# Altium PCB Booster_Main_Board.PcbDoc (part 8 of 11)
Units mil, origin at the board's own origin, x right, y up, seen from the top; angles counter-clockwise.
Board outline 15748.38 x 4626.33 mil, 4 copper layers (Component Side, Signal Layer 1, Power Plane, Solder Side), stack 63.149 mil thick; 999 components, 572 nets, 2902 pads, 1949 vias.
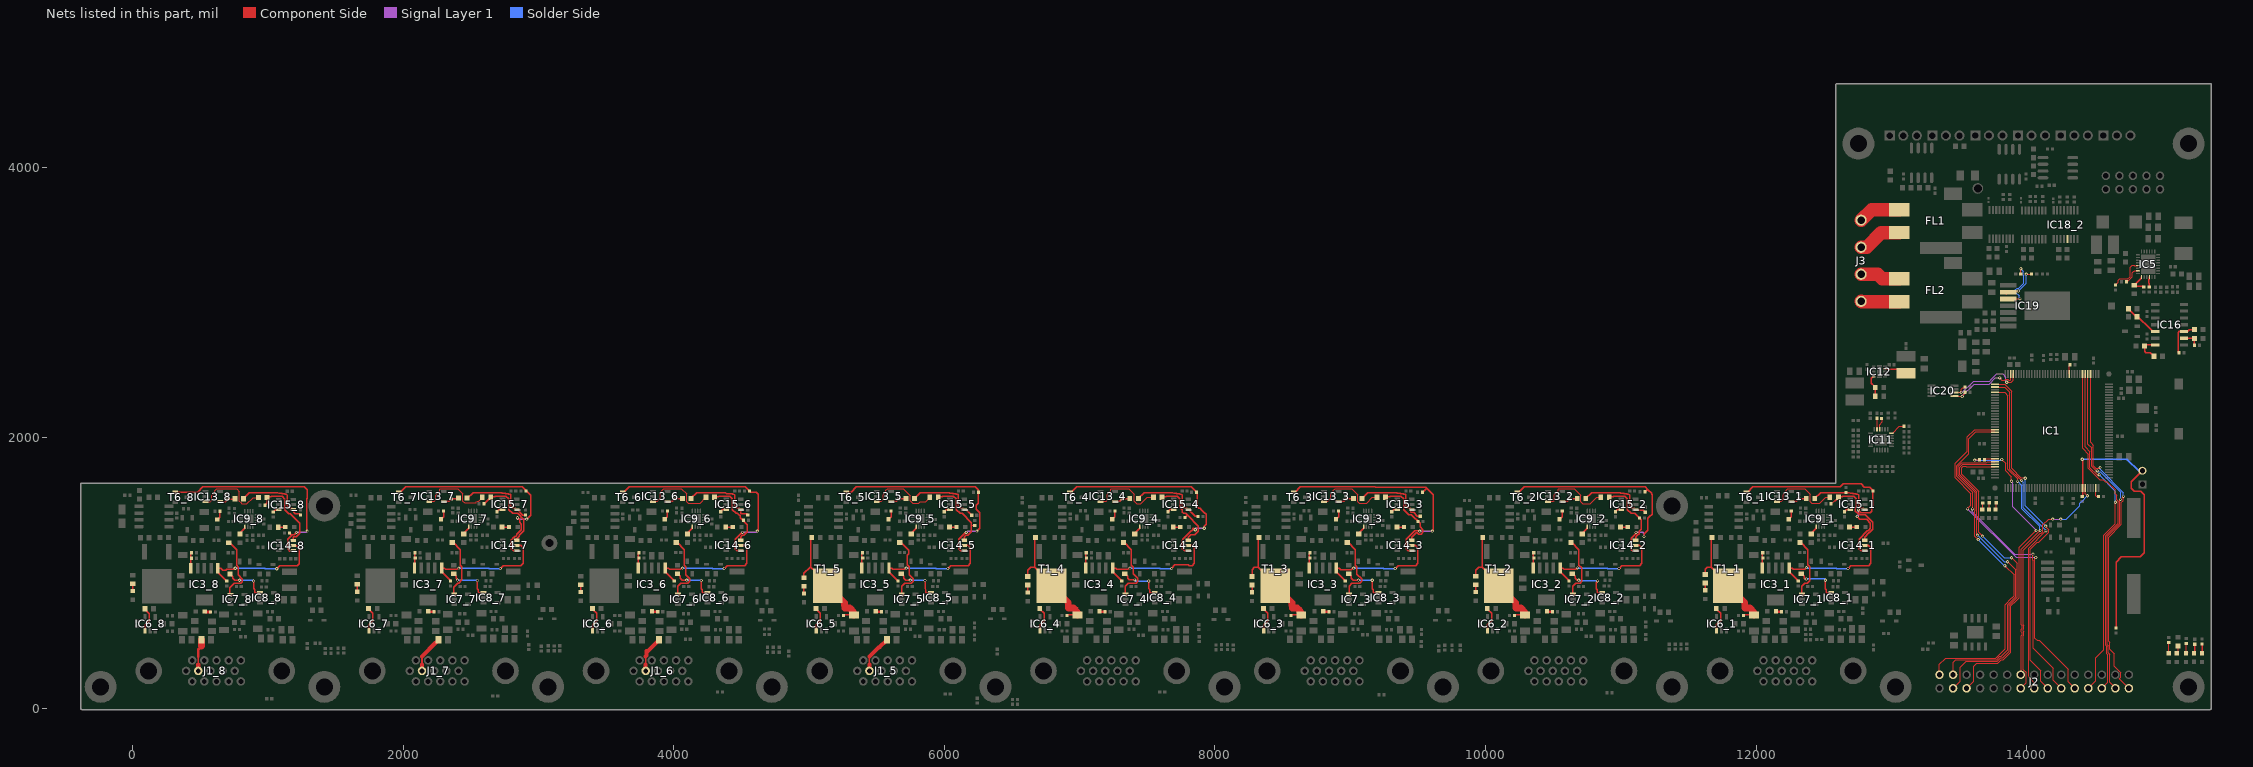
[diagram p10: the nets of this part, all layers, seen from the top]

## Via types
v1: diameter 23.62, hole 11.81, Component Side to Solder Side, tented both sides, 1910 vias
v2: diameter 50, hole 28, Component Side to Solder Side, tented both sides, 24 vias
v3: diameter 23.62, hole 11.81, Component Side to Solder Side, 10 vias
v4: diameter 47.24, hole 31.5, Component Side to Solder Side, 5 vias

## Nets (pads, with @x,y where several pads share a name; then routed paths per layer and width w, separated by ;. In a path a pad name is that pad's centre, name@x,y a point inside that pad or via, vN(x,y) a via of type N, cw(c..) or ccw(c..) an arc to the next point about the centre after c; other vN are vias at no path point) (continued)
NetFB6_5_1: FB6_5.1 J1_5.7 | length 286.7
  Component Side w12: 5445.71,324.3 5445.71,382.78
  Component Side w30: 5445.71,324.3 5445.79,324.22 J1_5.7@5445.79,275.59 ; 5445.71,382.78 5511.81,448.89 5518.45,448.89 FB6_5.1@5574.57,505
NetFB6_6_1: FB6_6.1 J1_6.7 | length 275.1
  Component Side w10: FB6_6.1@3889.57,504.57 FB6_6.1@3889.57,505
  Component Side w12: 3792.17,324.3 3792.17,382.78
  Component Side w30: 3792.17,324.3 3792.24,324.22 J1_6.7@3792.24,275.59 ; 3792.17,382.78 3799.21,389.83 3799.21,423.23 3808.23,423.23 FB6_6.1@3889.57,504.57
NetFB6_7_1: FB6_7.1 J1_7.7 | length 251.4
  Component Side w12: 2138.62,324.3 2138.62,382.78
  Component Side w30: 2138.62,324.3 2138.7,324.22 J1_7.7@2138.7,275.59 ; 2138.62,382.78 FB6_7.1@2240.54,484.7
NetFB6_8_1: FB6_8.1 J1_8.7 | length 289.5
  Component Side w10: 485.08,323.16 485.08,381.64
  Component Side w12: 485.08,323.16 485.08,274.53 J1_8.7@485.16,274.45
  Component Side w20: 485.08,381.64 485.08,435.08 509.57,459.57
  Component Side w30: 485.08,323.16 485.16,323.08 J1_8.7@485.16,275.59 J1_8.7@485.16,274.45
  Component Side w50: 509.57,459.57 FB6_8.1@509.57,505
NetFL1_1: FL1.1 J3.1 | length 313.8
  Component Side w100: J3.1@12775.59,3607.09 12853.54,3685.04 FL1.1@13057.09,3685.04
NetFL1_3: FL1.3 J3.2 | length 326.5
  Component Side w100: J3.2@12775.59,3407.09 12816.54,3407.09 12925.19,3515.74 FL1.3@13057.09,3515.74
NetFL2_1: FL2.1 J3.3 | length 295.5
  Component Side w100: J3.3@12775.59,3207.09 12898.76,3207.09 12932.62,3173.23 FL2.1@13057.09,3173.23
NetFL2_3: FL2.3 J3.4 | length 282.8
  Component Side w100: J3.4@12775.59,3007.09 12778.74,3003.93 FL2.3@13057.09,3003.93
NetIC1_40: IC1.40 J2.2 | length 2568.9
  Component Side w6: IC1.40@14471.43,2470.26 14471.43,1964.57 14493,1943 14493,1790.57 14508.38,1775.19 14539.19,1775.19 v1(14542,1778) ; v1(14715,1565) 14707.72,1557.72 14713.81,1551.62 14713.81,1534.38 14699.81,1520.38 14699.81,1357.96 14607,1265.15 14607,493.09 14615,485.09 14615,435 14648,402 14648,311.24 14695.62,263.62 14695.62,230.07 14683.75,218.21 J2.2@14755.12,146.85
  Solder Side w6: v1(14542,1778) 14542,1764.4 14715,1591.4 v1(14715,1565)
NetIC1_41: IC1.41 J2.4 | length 2502.2
  Component Side w6: IC1.41@14451.75,2470.26 14451.75,1952.25 14478.81,1925.19 14478.81,1787.79 14512.6,1754 v1(14521,1754) ; J2.4@14655.12,146.85 14612,189.97 14612,400 14603,409 14603,461.06 14595,469.06 14595,1270.12 14687.81,1362.93 14687.81,1537.81 v1(14693,1543)
  Solder Side w6: v1(14521,1754) 14529.19,1745.81 14543.62,1745.81 14693,1596.43 v1(14693,1543)
NetIC1_42: IC1.42 J2.8 | length 2507
  Component Side w6: IC1.42@14432.06,2470.26 14432.06,1931.94 14466.81,1897.19 14466.81,1778.76 14520.57,1725 v1(14535,1725) ; J2.8@14455.12,146.85 14510,201.73 14510,371 14571,432 14571,1280.06 14655,1364.06 v1(14655,1522)
  Solder Side w6: v1(14535,1725) 14655,1605 v1(14655,1522)
NetIC1_43: IC1.43 J2.6 | length 2519.7
  Component Side w6: IC1.43@14412.38,2470.26 14412.38,1919.62 14454.81,1877.19 14454.81,1773.79 14538.33,1690.27 14563.67,1690.27 14578.56,1675.38 14592.68,1675.38 14654,1614.06 14654,1586.33 14664.81,1575.52 14664.81,1541.76 14675.81,1530.76 14675.81,1367.9 14583,1275.09 14583,464.09 14591,456.09 14591,404.03 14600,395.03 14600,191.73 J2.6@14555.12,146.85
NetIC1_48: IC1.48 R2.2 | length 70
  Component Side w6: IC1.48@14313.95,2470.26 14313.95,2532.46 R2.2@14319.5,2538
NetIC1_69: IC1.69 IC20.6 R36.2 | length 642.1
  Component Side w6: IC20.6@13467.61,2333.2 13468.41,2334 v1(13515,2334) 13515,2356.24 13527.76,2369 R36.2@13544.5,2369 ; v1(13852,2409) 13884,2409 13900.57,2425.57 IC1.69@13900.57,2470.26
  Signal Layer 1 w6: v1(13515,2334) 13522.89,2334 13607.08,2418.19 13726.62,2418.19 13738.81,2430.38 13738.81,2430.81 13778.26,2470.26 13821.74,2470.26 13846,2446 13846,2415 v1(13852,2409)
NetIC1_70: IC1.70 IC20.5 R41.2 | length 567.5
  Component Side w6: IC20.5@13467.61,2307.61 13471.23,2304 v1(13523,2304) 13523,2307.57 13544.5,2329.06 R41.2@13544.5,2332 ; v1(13800,2441) 13817,2424 13837.57,2424 13843.38,2429.81 13860.62,2429.81 13866.43,2424 13879,2424 13880.88,2425.88 IC1.70@13880.88,2470.26
  Signal Layer 1 w6: v1(13523,2304) 13523,2307.57 13611.43,2396 13721.4,2396 13766.4,2441 v1(13800,2441)
NetIC1_73: IC1.73 J2.14 | length 2590.1
  Component Side w6: IC1.73@13764.74,2393.49 13838.08,2393.49 13843.38,2388.19 13843.81,2388.19 13891,2341 13891,1896 13888.19,1893.19 13888.19,1772.81 13956,1705 13984,1705 v1(13989,1700) ; v1(14140,1346) 14140,1341.43 14162.81,1318.62 14162.81,1301.38 14088.24,1226.81 14078.38,1226.81 14025.19,1173.62 14025.19,354.81 14103,277 14103,198.97 J2.14@14155.12,146.85
  Solder Side w6: v1(13989,1700) 13989,1497 v1(14140,1346)
NetIC1_74: IC1.74 J2.16 | length 2497.6
  Component Side w6: IC1.74@13764.74,2373.8 13836.2,2373.8 13876.19,2333.81 13876.19,1767.84 13943,1701.03 13943,1700 13959,1684 v1(13962,1684) ; J2.16@14055.12,146.85 14055.12,189.58 14013.19,231.51 14013.19,1181.19 v1(14142,1310)
  Solder Side w6: v1(13962,1684) 13976,1670 13976,1480.57 14142,1314.57 v1(14142,1310)
NetIC1_76: IC1.76 J2.17 | length 2336.7
  Component Side w6: IC1.76@13764.74,2334.43 13836.57,2334.43 13861,2310 13861,1765 13932,1694 v1@13932,1678 ; J2.17@13955.12,246.85 13961,252.73 13961,535.9 13967.66,542.56 13967.66,559.8 13961,566.46 13961,585.14 13967.63,591.77 13967.63,609.01 13961,615.65 13961,1176 v1(14099,1314)
  Solder Side w6: v1(13932,1676) 13964,1644 13964,1475.6 14095,1344.6 14095,1318 v1(14099,1314)
NetIC1_90: IC1.90 J2.10 | length 2611.7
  Component Side w6: v1(13562,1473) 13587.81,1498.81 13587.81,1585.19 13470.19,1702.81 13470.19,1715.53 13470.05,1715.53 13470,1715.58 13470,1810 13560,1900 13560,2005 13613.84,2058.84 IC1.90@13764.74,2058.84 ; v1(14067,1114) 14061,1108 14061,515.87 14076.03,500.84 14094.16,500.84 14308,287 14308,193.97 J2.10@14355.12,146.85
  Signal Layer 1 w6: v1(13562,1473) 13921,1114 v1(14067,1114)
NetIC1_91: IC1.91 J2.12 | length 2498.3
  Component Side w6: v1(13599,1473) 13600.7,1473 13600.7,1597.02 13482.19,1715.53 13482.19,1792.53 13572,1882.34 13572,1992 13623,2043 13760.9,2043 IC1.91@13764.74,2039.16 ; v1(14046,1139) 14046,1093 14048,1091 14048,443 14195.62,295.38 14195.62,206.35 J2.12@14255.12,146.85
  Signal Layer 1 w6: v1(13599,1473) 13599,1452.97 13912.97,1139 v1(14046,1139)
NetIC1_101: IC1.101 R3.1 | length 78.4
  Component Side w6: R3.1@13688.5,1837 13693.81,1842.31 IC1.101@13764.74,1842.31
NetIC1_102: IC1.102 J2.29 | length 2448.1
  Component Side w6: J2.29@13355.12,246.85 13355.12,323.12 13401.54,369.54 13771.54,369.54 13839.81,437.81 13839.81,764.15 13890.85,815.19 13891.62,815.19 13905.81,829.38 13905.81,985.92 v1(13838.58,1053.15) ; v1(13641,1246) 13628.81,1258.19 13628.38,1258.19 13616.19,1270.38 13616.19,1458.76 13619.81,1462.38 13619.81,1594.88 13494.19,1720.5 13494.19,1787.56 13520.44,1813.81 13557.56,1813.81 13558.18,1813.19 13701.04,1813.19 13710.48,1822.62 IC1.102@13764.74,1822.62
  Solder Side w6: v1(13641,1246) 13833.85,1053.15 v1(13838.58,1053.15)
NetIC1_103: IC1.103 J2.27 | length 2363.2
  Component Side w6: J2.27@13455.12,246.85 13455.12,339.12 13473.54,357.54 13776.51,357.54 13801.97,383 13811,383 13858.27,430.27 13858.27,765.64 13895.82,803.19 13896.59,803.19 13917.81,824.41 13917.81,1023.13 v1(13858.27,1082.68) ; v1(13637,1279) 13632.25,1283.75 13632.25,1599.41 13506.19,1725.47 13506.19,1782.59 13525.41,1801.81 13552.59,1801.81 13553.21,1801.19 13762.99,1801.19 IC1.103@13764.74,1802.94
  Solder Side w6: v1(13637,1279) 13637.43,1279 13833.75,1082.68 v1(13858.27,1082.68)
NetIC1_104: IC1.104 J2.28 | length 2427.2
  Component Side w6: J2.28@13455.12,146.85 13508,199.73 13508,301 13552.54,345.54 13781.48,345.54 13806.94,371 13822,371 13870.27,419.27 13870.27,760.67 13900.79,791.19 13901.56,791.19 13929.81,819.44 13929.81,1070.16 v1(13887.77,1112.2) ; v1(13674,1272) 13644.25,1301.75 13644.25,1604.38 13518.19,1730.44 13518.19,1777.62 13530.38,1789.81 13547.62,1789.81 13553.62,1783.81 13764.18,1783.81 IC1.104@13764.74,1783.25
  Solder Side w6: v1(13674,1272) 13833.8,1112.2 v1(13887.77,1112.2)
NetIC1_138: IC1.138 JP2.2 R4.1 R42.2 | length 2168.3
  Component Side w10: R4.1@14409.47,1564.73 14412.38,1567.63 IC1.138@14412.38,1627.74 14412.38,1837.62 v1(14410,1840) ; R42.2@14660,591.5 14660,1079 14699,1118 14839,1118 14870,1149 14870,1576 14841,1605 14795,1605 14773,1627 14773,1673 JP2.2@14855,1755
  Solder Side w10: v1(14410,1840) 14740,1840 JP2.2@14830,1750
NetIC1_139: IC1.139 J2.18 | length 1794.6
  Component Side w6: J2.18@13955.12,146.85 13995.62,187.34 13995.62,265.24 13976,284.85 13976,533.93 13979.66,537.59 13979.66,564.77 13976,568.43 13976,583.17 13979.63,586.8 13979.63,613.98 13976,617.62 13976,1168 14101.19,1293.19 14107.62,1293.19 14119.81,1305.38 14119.81,1336.76 14119.19,1337.38 14119.19,1354.62 14162.2,1397.63 v1(14192.88,1397.63) ; IC1.139@14432.06,1627.74 14432.06,1585.94 v1(14448,1570)
  Signal Layer 1 w6: v1(14192.88,1397.63) v1(14251.94,1397.63)
  Solder Side w6: v1(14251.94,1397.63) 14291.07,1397.63 14391.19,1497.76 14391.19,1513.62 14403.38,1525.81 14404.92,1525.81 14448,1568.89 v1(14448,1570)
NetIC1_143: IC1.143 R5.2 | length 81
  Component Side w6: IC1.143@14510.8,1627.74 14510.8,1569.2 14515,1565 R5.2@14531.5,1565
NetIC3_1_1: IC3_1.1 IC14_1.5 R51_1.2 | length 917.4
  Component Side w10: R51_1.2@12310.17,940.65 12244.09,1006.72 IC3_1.1@12244.09,1035.67 12265.17,1035.67 12273.06,1027.78 12358.41,1027.78 12369.73,1039.1 v1(12371.67,1039.1) ; v1(12679.17,1032.14) 12700.86,1053.83 12830.78,1053.83 12846.49,1069.53 12846.49,1184.83 12828.17,1203.14 IC14_1.5@12801.32,1203.14
  Solder Side w10: v1@12372.17,1036.14 12591.17,1036.14 12595.17,1032.14 v1(12679.17,1032.14)
NetIC3_1_5: IC3_1.5 R10_1.1 R13_1.2 | length 116.1
  Component Side w10: IC3_1.5@12044.09,1035.67 12044.09,1145.12 R13_1.2@12048.82,1149.84
NetIC3_2_1: IC3_2.1 IC14_2.5 R51_2.2 | length 916.8
  Component Side w10: R51_2.2@10617.26,940.65 10551.18,1006.72 IC3_2.1@10551.18,1035.67 10572.26,1035.67 10580.15,1027.78 10665.5,1027.78 10674.72,1037 v1(10679,1037) ; v1(10986.26,1032.14) 11007.94,1053.83 11137.87,1053.83 11153.57,1069.53 11153.57,1184.83 11135.26,1203.14 IC14_2.5@11108.41,1203.14
  Solder Side w10: v1@10679.26,1036.14 10898.26,1036.14 10902.26,1032.14 v1(10986.26,1032.14)
NetIC3_2_5: IC3_2.5 R10_2.1 R13_2.2 | length 116.1
  Component Side w10: IC3_2.5@10351.18,1035.67 10351.18,1145.12 R13_2.2@10355.91,1149.84
NetIC3_3_1: IC3_3.1 IC14_3.5 R51_3.2 | length 920.1
  Component Side w10: R51_3.2@8963.72,940.65 8897.64,1006.72 IC3_3.1@8897.64,1035.67 8918.72,1035.67 8931.2,1023.19 9007.37,1023.19 9019.32,1035.14 v1(9025.72,1035.14) ; v1(9332.72,1032.14) 9354.4,1053.83 9484.33,1053.83 9500.03,1069.53 9500.03,1184.83 9481.72,1203.14 IC14_3.5@9454.87,1203.14
  Solder Side w10: v1@9025.72,1036.14 9244.72,1036.14 9248.72,1032.14 v1(9332.72,1032.14)
NetIC3_3_5: IC3_3.5 R10_3.1 R13_3.2 | length 116.1
  Component Side w10: IC3_3.5@8697.64,1035.67 8697.64,1145.12 R13_3.2@8702.36,1149.84
NetIC3_4_1: IC3_4.1 IC14_4.5 R51_4.2 | length 923.2
  Component Side w10: R51_4.2@7310.17,940.65 7244.09,1006.72 IC3_4.1@7244.09,1035.67 7265.17,1035.67 7274.65,1026.19 7356.82,1026.19 7365.78,1035.14 v1(7372.17,1035.14) ; v1(7679.17,1032.14) 7679.17,1034.14 7704.17,1059.14 7803.26,1059.14 7808.57,1053.83 7830.78,1053.83 7846.49,1069.53 7846.49,1184.83 7828.17,1203.14 IC14_4.5@7801.32,1203.14
  Solder Side w10: v1@7372.17,1036.14 7591.17,1036.14 7595.17,1032.14 v1(7679.17,1032.14)
NetIC3_4_5: IC3_4.5 R10_4.1 R13_4.2 | length 116.1
  Component Side w10: IC3_4.5@7044.09,1035.67 7044.09,1145.12 R13_4.2@7048.82,1149.84
NetIC3_5_1: IC3_5.1 IC14_5.5 R51_5.2 | length 916.3
  Component Side w10: R51_5.2@5656.63,940.65 5590.55,1006.72 IC3_5.1@5590.55,1035.67 5611.63,1035.67 5619.52,1027.78 5704.87,1027.78 5712.23,1035.14 v1(5718.63,1035.14) ; v1(6025.63,1032.14) 6047.31,1053.83 6177.24,1053.83 6192.94,1069.53 6192.94,1184.83 6174.63,1203.14 IC14_5.5@6147.78,1203.14
  Solder Side w10: v1@5718.63,1036.14 5937.63,1036.14 5941.63,1032.14 v1(6025.63,1032.14)
NetIC3_5_5: IC3_5.5 R10_5.1 R13_5.2 | length 116.1
  Component Side w10: IC3_5.5@5390.55,1035.67 5390.55,1145.12 R13_5.2@5395.28,1149.84
NetIC3_6_1: IC3_6.1 IC14_6.5 R51_6.2 | length 918.4
  Component Side w10: R51_6.2@4003.09,940.65 3937.01,1006.72 IC3_6.1@3937.01,1035.67 3958.09,1035.67 3968.57,1025.19 4048.74,1025.19 4058.69,1035.14 v1(4065.09,1035.14) ; v1(4372.09,1032.14) 4393.77,1053.83 4523.7,1053.83 4539.4,1069.53 4539.4,1184.83 4521.09,1203.14 IC14_6.5@4494.24,1203.14
  Solder Side w10: v1@4065.09,1036.14 4284.09,1036.14 4288.09,1032.14 v1(4372.09,1032.14)
NetIC3_6_5: IC3_6.5 R10_6.1 R13_6.2 | length 116.1
  Component Side w10: IC3_6.5@3737.01,1035.67 3737.01,1145.12 R13_6.2@3741.73,1149.84
NetIC3_7_1: IC3_7.1 IC14_7.5 R51_7.2 | length 918.4
  Component Side w10: R51_7.2@2349.54,940.65 2283.46,1006.72 IC3_7.1@2283.46,1035.67 2304.54,1035.67 2315.02,1025.19 2395.19,1025.19 2405.15,1035.14 v1(2411.54,1035.14) ; v1(2718.54,1032.14) 2740.23,1053.83 2870.15,1053.83 2885.86,1069.53 2885.86,1184.83 2867.54,1203.14 IC14_7.5@2840.69,1203.14
  Solder Side w10: v1@2411.54,1036.14 2630.54,1036.14 2634.54,1032.14 v1(2718.54,1032.14)
NetIC3_7_5: IC3_7.5 R10_7.1 R13_7.2 | length 116.1
  Component Side w10: IC3_7.5@2083.46,1035.67 2083.46,1145.12 R13_7.2@2088.19,1149.84
NetIC3_8_1: IC3_8.1 IC14_8.5 R51_8.2 | length 921.6
  Component Side w10: R51_8.2@696,939.5 629.92,1005.58 IC3_8.1@629.92,1034.53 651,1034.53 665.34,1020.19 687.45,1020.19 693.9,1026.64 744.24,1026.64 751.6,1034 v1(758,1034) ; v1(1065,1031) 1086.69,1052.69 1216.61,1052.69 1232.31,1068.39 1232.31,1183.69 1214,1202 IC14_8.5@1187.15,1202
  Solder Side w10: v1@758,1035 977,1035 981,1031 v1(1065,1031)
NetIC3_8_5: IC3_8.5 R10_8.1 R13_8.2 | length 116.1
  Component Side w10: IC3_8.5@429.92,1034.53 429.92,1143.98 R13_8.2@434.65,1148.7
NetIC5_5: IC5.5 R14.1 | length 274.6
  Component Side w6: R14.1@14655.51,3128.74 14675.2,3148.43 14675.2,3161.8 14686.21,3172.81 14747.61,3172.81 14763.78,3188.98 14763.78,3257.96 14778.24,3272.42 14795.48,3272.42 14796.13,3271.76 IC5.5@14822.06,3271.76
NetIC5_7: IC5.7 R18.2 | length 135.6
  Component Side w6: R18.2@14738.36,3151.61 14743.38,3151.61 14778.86,3187.08 14778.86,3218.61 14791.05,3230.8 14795.48,3230.8 14797.08,3232.39 IC5.7@14822.06,3232.39
NetIC5_9: IC5.9 R16.2 R33.2 | length 151.8
  Component Side w10: R33.2@14793.86,3131.1 14806.17,3118.8 14856.31,3118.8 14856.74,3119.23 R16.2@14863.86,3112.11 ; R33.2@14802.86,3132.1 14847.65,3176.89 IC5.9@14847.65,3187.12
NetIC5_12: IC5.12 R19.2 | length 77.9
  Component Side w10: R19.2@14905.86,3112.11 14906.7,3112.95 14906.7,3139.5 14903.57,3142.63 14903.57,3166.61 14906.7,3169.73 IC5.12@14906.7,3187.12
NetIC6_1_1: IC6_1.1 R45_1.1 | length 188.5
  Component Side w10: R45_1.1@11705.12,736.46 11705.12,732.51 11737.17,700.46 11737.17,647.14 11706.77,616.74 IC6_1.1@11706.77,573.82
NetIC6_2_1: IC6_2.1 R45_2.1 | length 188.5
  Component Side w10: R45_2.1@10012.2,736.46 10012.2,732.51 10044.26,700.46 10044.26,647.14 10013.86,616.74 IC6_2.1@10013.86,573.82
NetIC6_3_1: IC6_3.1 R45_3.1 | length 188.5
  Component Side w10: R45_3.1@8358.66,736.46 8358.66,732.51 8390.72,700.46 8390.72,647.14 8360.31,616.74 IC6_3.1@8360.31,573.82
NetIC6_4_1: IC6_4.1 R45_4.1 | length 188.5
  Component Side w10: R45_4.1@6705.12,736.46 6705.12,732.51 6737.17,700.46 6737.17,647.14 6706.77,616.74 IC6_4.1@6706.77,573.82
NetIC6_5_1: IC6_5.1 R45_5.1 | length 188.5
  Component Side w10: R45_5.1@5051.57,736.46 5051.57,732.51 5083.63,700.46 5083.63,647.14 5053.23,616.74 IC6_5.1@5053.23,573.82
NetIC6_6_1: IC6_6.1 R45_6.1 | length 188.5
  Component Side w10: R45_6.1@3398.03,736.46 3398.03,732.51 3430.09,700.46 3430.09,647.14 3399.69,616.74 IC6_6.1@3399.69,573.82
NetIC6_7_1: IC6_7.1 R45_7.1 | length 188.5
  Component Side w10: R45_7.1@1744.49,736.46 1744.49,732.51 1776.54,700.46 1776.54,647.14 1746.14,616.74 IC6_7.1@1746.14,573.82
NetIC6_8_1: IC6_8.1 R45_8.1 | length 188.5
  Component Side w10: R45_8.1@90.94,735.31 90.94,731.37 123,699.32 123,646 92.6,615.6 IC6_8.1@92.6,572.68
NetIC7_1_1: IC7_1.1 R53_1.1 | length 443.7
  Component Side w10: R53_1.1@12331.17,1224.65 12382.98,1172.84 12382.98,1060.05 12389.42,1053.61 12394.81,1048.22 12394.81,941.24 12377.76,924.19 12358.96,924.19 12337.38,902.61 12337.38,843.02 IC7_1.1@12337.99,842.4
NetIC7_2_1: IC7_2.1 R53_2.1 | length 459.8
  Component Side w10: R53_2.1@10638.26,1224.65 10690.06,1172.84 10690.06,1058.2 10711.81,1036.45 10711.81,937.55 10698.45,924.19 10666.05,924.19 10644.46,902.61 10644.46,843.02 IC7_2.1@10645.08,842.4
NetIC7_3_1: IC7_3.1 R53_3.1 | length 496
  Component Side w10: R53_3.1@8984.72,1224.65 9036.52,1172.84 9036.52,1056.6 9048.53,1044.59 9048.53,991.73 9083.81,956.45 9083.81,937.55 9070.45,924.19 9012.5,924.19 8990.92,902.61 8990.92,843.02 IC7_3.1@8991.54,842.4
NetIC7_4_1: IC7_4.1 R53_4.1 | length 496.1
  Component Side w10: R53_4.1@7331.17,1224.65 7382.98,1172.84 7382.98,1056.6 7396.81,1042.76 7396.81,993.07 7430.81,959.07 7430.81,938.55 7417.45,925.19 7359.96,925.19 7337.38,902.61 7337.38,843.02 IC7_4.1@7337.99,842.4
NetIC7_5_1: IC7_5.1 R53_5.1 | length 493.8
  Component Side w10: R53_5.1@5677.63,1224.65 5736,1166.28 5736,1141.32 5726.82,1132.14 5726.82,1059.21 5741.44,1044.59 5741.44,984.82 5769.81,956.45 5769.81,937.55 5756.45,924.19 5705.42,924.19 5683.83,902.61 5683.83,843.02 IC7_5.1@5684.45,842.4
NetIC7_6_1: IC7_6.1 R53_6.1 | length 489.8
  Component Side w10: R53_6.1@4024.09,1224.65 4075.89,1172.84 4075.89,1056.6 4087.9,1044.59 4087.9,987.36 4118.81,956.45 4118.81,937.55 4104.46,923.2 4050.89,923.2 4030.29,902.61 4030.29,843.02 IC7_6.1@4030.91,842.4
NetIC7_7_1: IC7_7.1 R53_7.1 | length 438.1
  Component Side w10: R53_7.1@2370.54,1224.65 2422.35,1172.84 2422.35,1056.6 2434.35,1044.59 2434.35,948.09 2409.46,923.2 2404.07,923.2 2374.19,893.33 2374.19,845.57 IC7_7.1@2377.36,842.4
NetIC7_8_1: IC7_8.1 R53_8.1 | length 490.1
  Component Side w10: R53_8.1@717,1223.5 768.8,1171.7 768.8,1055.46 780.81,1043.45 780.81,985.45 811.81,954.45 811.81,935.55 798.45,922.19 750.65,922.19 719.2,890.75 719.2,886.52 718.81,886.13 718.81,846.27 IC7_8.1@723.82,841.26
NetIC8_1_1: IC8_1.1 R55_1.1 | length 333.4
  Component Side w10: R55_1.1@12334.17,993.5 12354.17,973.5 12354.17,961.14 12360.31,955 v1(12370,955) ; v1(12512,945) 12512,883.42 12519.5,875.92 12519.5,855.89 12520.85,854.54 IC8_1.1@12554.99,854.54
  Solder Side w10: v1(12370,955) 12502,955 v1(12512,945)
NetIC8_2_1: IC8_2.1 R55_2.1 | length 343.8
  Component Side w10: R55_2.1@10641.26,993.5 10661.26,973.5 10661.26,961.14 10680.4,942 10685.4,947 v1(10689,947) ; v1(10827,941) 10827,935.88 10819.45,928.33 10819.45,883.05 10826.5,876 10826.5,856.34 10828.29,854.54 IC8_2.1@10862.08,854.54
  Solder Side w10: v1@10689,942 10826,942 v1(10827,941)
NetIC8_3_1: IC8_3.1 R55_3.1 | length 331.9
  Component Side w10: R55_3.1@8987.72,993.5 9007.72,973.5 9007.72,961.14 9021.86,947 v1(9061,947) ; v1(9163,945) 9163,884.55 9170.55,876.99 9170.55,858.39 9174.39,854.54 IC8_3.1@9208.54,854.54
  Solder Side w10: v1(9061,947) 9161,947 v1(9163,945)
NetIC8_4_1: IC8_4.1 R55_4.1 | length 334.2
  Component Side w10: R55_4.1@7334.17,993.5 7354.17,973.5 7354.17,961.14 7367.31,948 v1(7408,948) ; v1(7511,940) 7511,884.33 7517.01,878.32 7517.01,858.39 7520.85,854.54 IC8_4.1@7554.99,854.54
  Solder Side w10: v1@7405,951 v1(7408,948) 7416,940 v1(7511,940)
NetIC8_5_1: IC8_5.1 R55_5.1 | length 332
  Component Side w10: R55_5.1@5680.63,993.5 5700.63,973.5 5700.63,961.14 5714.77,947 v1(5747,947) ; v1(5857,944) 5857,883.46 5863.46,876.99 5863.46,858.39 5867.31,854.54 IC8_5.1@5901.45,854.54
  Solder Side w10: v1(5747,947) 5854,947 v1(5857,944)
NetIC8_6_1: IC8_6.1 R55_6.1 | length 331.3
  Component Side w10: R55_6.1@4027.09,993.5 4047.09,973.5 4047.09,961.14 4061.23,947 v1(4096,947) ; v1(4204.24,944.07) 4204.24,882.68 4210.92,875.99 4210.92,857.39 4213.76,854.54 IC8_6.1@4247.91,854.54
  Solder Side w10: v1@4096,944.07 v1(4204.24,944.07)
NetIC8_7_1: IC8_7.1 R55_7.1 | length 335.4
  Component Side w10: R55_7.1@2373.54,993.5 2393.54,973.5 2393.54,961.14 2401,953.69 v1(2401,947) ; v1(2549,944) 2549,884.37 2556.38,876.99 2556.38,858.39 2560.22,854.54 IC8_7.1@2594.36,854.54
  Solder Side w10: v1(2401,947) 2404,944 v1(2549,944)
NetIC8_8_1: IC8_8.1 R55_8.1 | length 328.9
  Component Side w10: R55_8.1@720,992.36 740,972.36 740,960 755,945 v1(789,945) ; v1(894,940) 894,884.69 902.83,875.85 902.83,857.24 906.68,853.4 IC8_8.1@940.82,853.4
  Solder Side w10: v1(789,945) 889,945 v1(894,940)
NetIC9_1_13: IC9_1.13 R56_1.1 | length 73.7
  Component Side w10: R56_1.1@12400.17,1286.64 12444.65,1331.11 IC9_1.13@12444.65,1341.93
NetIC9_2_13: IC9_2.13 R56_2.1 | length 73.7
  Component Side w10: R56_2.1@10707.26,1286.64 10751.73,1331.11 IC9_2.13@10751.73,1341.93
NetIC9_3_13: IC9_3.13 R56_3.1 | length 73.7
  Component Side w10: R56_3.1@9053.72,1286.64 9098.19,1331.11 IC9_3.13@9098.19,1341.93
NetIC9_4_13: IC9_4.13 R56_4.1 | length 73.7
  Component Side w10: R56_4.1@7400.17,1286.64 7444.65,1331.11 IC9_4.13@7444.65,1341.93
NetIC9_5_13: IC9_5.13 R56_5.1 | length 73.7
  Component Side w10: R56_5.1@5746.63,1286.64 5791.1,1331.11 IC9_5.13@5791.1,1341.93
NetIC9_6_13: IC9_6.13 R56_6.1 | length 73.7
  Component Side w10: R56_6.1@4093.09,1286.64 4137.56,1331.11 IC9_6.13@4137.56,1341.93
NetIC9_7_13: IC9_7.13 R56_7.1 | length 73.7
  Component Side w10: R56_7.1@2439.54,1286.64 2484.02,1331.11 IC9_7.13@2484.02,1341.93
NetIC9_8_13: IC9_8.13 R56_8.1 | length 73.7
  Component Side w10: R56_8.1@786,1285.5 830.47,1329.97 IC9_8.13@830.47,1340.79
NetIC11_18: IC11.18 R66.2 | length 112.1
  Component Side w6: IC11.18@12999.65,2033.57 13008.57,2033.57 13057.78,2082.78 R66.2@13091.38,2082.78
NetIC11_22: IC11.22 R69.2 | length 90